# KiCad board 014_Sensor_PI_RS485 board.kicad_pcb (continued)
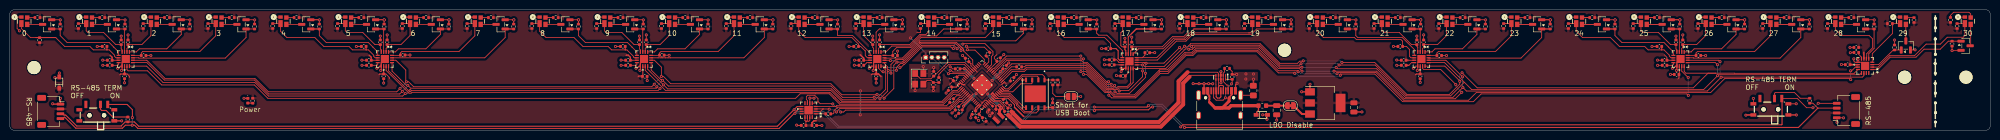
[diagram p0: board, top side]
## Nets
+1V1: C3.1 C5.1 C7.1 C8.1 L1.1 U1.6 U1.23 U1.39 U1.50
+3V3: C2.1 C4.1 C9.1 C10.1 C13.1 C14.1 C15.1 C16.1 C19.1 C20.1 C21.1 C22.1 C401.1 C403.1 C801.1 C803.1 C1301.1 C1303.1 C1801.1 C1803.1 C2301.1 C2303.1 C2801.1 C2803.1 C3301.1 C3303.1 C3801.1 C3803.1 CR2.1 J1.2 J2.2 J4.1 R6.1 R8.2 R17.1 R102.2 R302.1 R303.1 R502.1 R503.1 R602.1 R603.1 R702.1 R703.1 R902.1 R903.1 R1002.1 R1003.1 R1102.1 R1103.1 R1202.1 R1203.1 R1402.1 R1403.1 R1502.1 R1503.1 R1602.1 R1603.1 R1702.1 R1703.1 R1902.1 R1903.1 R2002.1 R2003.1 R2102.1 R2103.1 R2202.1 R2203.1 R2402.1 R2403.1 R2502.1 R2503.1 R2602.1 R2603.1 R2702.1 R2703.1 R2902.1 R2903.1 R3002.1 R3003.1 R3102.1 R3103.1 R3202.1 R3203.1 R3402.1 R3403.1 R3502.1 R3503.1 R3602.1 R3603.1 R3702.1 R3703.1 R4302.1 R4303.1 R4402.1 R4403.1 R4502.1 R4503.1 U1.1 U1.11 U1.20 U1.30 U1.38 U1.44 U1.45 U1.49 U1.53 U1.54 U2.2 U3.8 U5.13 U5.14 U5.15 U401.7 U401.10 U801.7 U801.10 U1301.7 U1301.10 U1801.7 U1801.10 U2301.7 U2301.10 U2801.7 U2801.10 U3301.7 U3301.10 U3801.7 U3801.10
GND: C1.2 C2.2 C3.2 C4.2 C5.2 C6.2 C7.2 C8.2 C9.2 C10.2 C13.2 C14.2 C15.2 C16.2 C17.2 C18.2 C19.2 C20.2 C21.2 C22.2 C401.2 C402.2 C403.2 C404.2 C405.2 C406.2 C407.2 C801.2 C802.2 C803.2 C804.2 C805.2 C806.2 C807.2 C1301.2 C1302.2 C1303.2 C1304.2 C1305.2 C1306.2 C1307.2 C1801.2 C1802.2 C1803.2 C1804.2 C1805.2 C1806.2 C1807.2 C2301.2 C2302.2 C2303.2 C2304.2 C2305.2 C2306.2 C2307.2 C2801.2 C2802.2 C2803.2 C2804.2 C2805.2 C2806.2 C2807.2 C3301.2 C3302.2 C3303.2 C3304.2 C3305.2 C3306.2 C3307.2 C3801.2 C3802.2 C3803.2 CR1.2 CR2.2 D3.1 J1.1 J2.1 J3.A1 J3.A12 J3.B1 J3.B12 J4.4 JP101.1 Q301.2 Q501.2 Q601.2 Q701.2 Q901.2 Q1001.2 Q1101.2 Q1201.2 Q1401.2 Q1501.2 Q1601.2 Q1701.2 Q1901.2 Q2001.2 Q2101.2 Q2201.2 Q2401.2 Q2501.2 Q2601.2 Q2701.2 Q2901.2 Q3001.2 Q3101.2 Q3201.2 Q3401.2 Q3501.2 Q3601.2 Q3701.2 Q4301.2 Q4401.2 Q4501.2 R1.1 R2.1 R3.1 R301.2 R501.2 R601.2 R701.2 R901.2 R1001.2 R1101.2 R1201.2 R1401.2 R1501.2 R1601.2 R1701.2 R1901.2 R2001.2 R2101.2 R2201.2 R2401.2 R2501.2 R2601.2 R2701.2 R2901.2 R3001.2 R3101.2 R3201.2 R3401.2 R3501.2 R3601.2 R3701.2 R4301.2 R4401.2 R4501.2 SW1.4 SW2.4 U1.47 U1.61 U2.1 U3.4 U4.3 U4.8 U5.6 U5.17 U301.1 U401.9 U401.17 U501.1 U601.1 U701.1 U801.9 U801.17 U901.1 U1001.1 U1101.1 U1201.1 U1301.9 U1301.17 U1401.1 U1501.1 U1601.1 U1701.1 U1801.9 U1801.17 U1901.1 U2001.1 U2101.1 U2201.1 U2301.9 U2301.17 U2401.1 U2501.1 U2601.1 U2701.1 U2801.9 U2801.17 U2901.1 U3001.1 U3101.1 U3201.1 U3301.9 U3301.17 U3401.1 U3501.1 U3601.1 U3701.1 U3801.9 U3801.17 U4301.1 U4401.1 U4501.1 Y1.2 Y1.4
VBUS: CR1.1 FB1.1 J3.A4 J3.A9 J3.B4 J3.B9
/BANK_0_CS: U1.33 U401.11
/BANK_1_CS: U1.32 U801.11
/BANK_2_CS: U1.31 U1301.11
/BANK_3_CS: U1.19 U1801.11
/BANK_4_CS: U1.3 U2301.11
/BANK_5_CS: U1.10 U2801.11
/BANK_6_CS: U1.8 U3301.11
/BANK_7_CS: U1.9 U3801.11
/FLASH_SS: R7.1 R17.2 U1.60 U3.1
/GPIO0: U1.2 U2301.12 U2801.12 U3301.12 U3801.12
/GPIO2: R14.2 U1.4
/GPIO3: U1.5 U2301.14 U2801.14 U3301.14 U3801.14
/GPIO4: U1.7
/GPIO8: U1.12 U401.12 U801.12 U1301.12 U1801.12
/GPIO9: U1.13
/GPIO10: R13.2 U1.14
/GPIO11: U1.15 U401.14 U801.14 U1301.14 U1801.14
/GPIO12: U1.16
/GPIO13: U1.17
/GPIO14: U1.18
/GPIO16: U1.27
/GPIO17: U1.28
/GPIO18: U1.29
/GPIO22: R19.2 U1.34
/GPIO23: R20.2 U1.35
/GPIO24: U1.36 U5.2 U5.3
/GPIO25: U1.37 U5.5 U5.7
/GPIO26_ADC0: U1.40
/GPIO27_ADC1: U1.41
/GPIO28_ADC2: U1.42
/GPIO29_ADC3: U1.43
/QSPI_SCLK: U1.56 U3.6
/QSPI_SD0: U1.57 U3.5
/QSPI_SD1: U1.59 U3.2
/QSPI_SD2: U1.58 U3.3
/QSPI_SD3: U1.55 U3.7
/RS485_N: J1.4 J2.4 SW1.3 SW2.3 U5.10
/RS485_P: J1.3 J2.3 R4.2 R101.2 U5.9
/RUN: R102.1 U1.26
/Sensor Array/4_Sensor_bank1/EN0: Q901.1 R901.1 U801.5
/Sensor Array/4_Sensor_bank1/EN1: Q1001.1 R1001.1 U801.3
/Sensor Array/4_Sensor_bank1/EN2: Q1101.1 R1101.1 U801.1
/Sensor Array/4_Sensor_bank1/EN3: Q1201.1 R1201.1 U801.15
/Sensor Array/4_Sensor_bank1/Y0: C804.1 R903.2 U801.6 U901.2
/Sensor Array/4_Sensor_bank1/Y1: C805.1 R1003.2 U801.4 U1001.2
/Sensor Array/4_Sensor_bank1/Y2: C806.1 R1103.2 U801.2 U1101.2
/Sensor Array/4_Sensor_bank1/Y3: C807.1 R1203.2 U801.16 U1201.2
/Sensor Array/4_Sensor_bank2/EN0: Q1401.1 R1401.1 U1301.5
/Sensor Array/4_Sensor_bank2/EN1: Q1501.1 R1501.1 U1301.3
/Sensor Array/4_Sensor_bank2/EN2: Q1601.1 R1601.1 U1301.1
/Sensor Array/4_Sensor_bank2/EN3: Q1701.1 R1701.1 U1301.15
/Sensor Array/4_Sensor_bank2/Y0: C1304.1 R1403.2 U1301.6 U1401.2
/Sensor Array/4_Sensor_bank2/Y1: C1305.1 R1503.2 U1301.4 U1501.2
/Sensor Array/4_Sensor_bank2/Y2: C1306.1 R1603.2 U1301.2 U1601.2
/Sensor Array/4_Sensor_bank2/Y3: C1307.1 R1703.2 U1301.16 U1701.2
/Sensor Array/4_Sensor_bank3/EN0: Q1901.1 R1901.1 U1801.5
/Sensor Array/4_Sensor_bank3/EN1: Q2001.1 R2001.1 U1801.3
/Sensor Array/4_Sensor_bank3/EN2: Q2101.1 R2101.1 U1801.1
/Sensor Array/4_Sensor_bank3/EN3: Q2201.1 R2201.1 U1801.15
/Sensor Array/4_Sensor_bank3/Y0: C1804.1 R1903.2 U1801.6 U1901.2
/Sensor Array/4_Sensor_bank3/Y1: C1805.1 R2003.2 U1801.4 U2001.2
/Sensor Array/4_Sensor_bank3/Y2: C1806.1 R2103.2 U1801.2 U2101.2
/Sensor Array/4_Sensor_bank3/Y3: C1807.1 R2203.2 U1801.16 U2201.2
/Sensor Array/4_Sensor_bank4/EN0: Q2401.1 R2401.1 U2301.5
/Sensor Array/4_Sensor_bank4/EN1: Q2501.1 R2501.1 U2301.3
/Sensor Array/4_Sensor_bank4/EN2: Q2601.1 R2601.1 U2301.1
/Sensor Array/4_Sensor_bank4/EN3: Q2701.1 R2701.1 U2301.15
/Sensor Array/4_Sensor_bank4/Y0: C2304.1 R2403.2 U2301.6 U2401.2
/Sensor Array/4_Sensor_bank4/Y1: C2305.1 R2503.2 U2301.4 U2501.2
/Sensor Array/4_Sensor_bank4/Y2: C2306.1 R2603.2 U2301.2 U2601.2
/Sensor Array/4_Sensor_bank4/Y3: C2307.1 R2703.2 U2301.16 U2701.2
/Sensor Array/4_Sensor_bank5/EN0: Q2901.1 R2901.1 U2801.5
/Sensor Array/4_Sensor_bank5/EN1: Q3001.1 R3001.1 U2801.3
/Sensor Array/4_Sensor_bank5/EN2: Q3101.1 R3101.1 U2801.1
/Sensor Array/4_Sensor_bank5/EN3: Q3201.1 R3201.1 U2801.15
/Sensor Array/4_Sensor_bank5/Y0: C2804.1 R2903.2 U2801.6 U2901.2
/Sensor Array/4_Sensor_bank5/Y1: C2805.1 R3003.2 U2801.4 U3001.2
/Sensor Array/4_Sensor_bank5/Y2: C2806.1 R3103.2 U2801.2 U3101.2
/Sensor Array/4_Sensor_bank5/Y3: C2807.1 R3203.2 U2801.16 U3201.2
/Sensor Array/4_Sensor_bank6/EN0: Q3401.1 R3401.1 U3301.5
/Sensor Array/4_Sensor_bank6/EN1: Q3501.1 R3501.1 U3301.3
/Sensor Array/4_Sensor_bank6/EN2: Q3601.1 R3601.1 U3301.1
/Sensor Array/4_Sensor_bank6/EN3: Q3701.1 R3701.1 U3301.15
/Sensor Array/4_Sensor_bank6/Y0: C3304.1 R3403.2 U3301.6 U3401.2
/Sensor Array/4_Sensor_bank6/Y1: C3305.1 R3503.2 U3301.4 U3501.2
/Sensor Array/4_Sensor_bank6/Y2: C3306.1 R3603.2 U3301.2 U3601.2
/Sensor Array/4_Sensor_bank6/Y3: C3307.1 R3703.2 U3301.16 U3701.2
/Sensor Array/4_Sensor_bank/EN0: Q301.1 R301.1 U401.5
/Sensor Array/4_Sensor_bank/EN1: Q501.1 R501.1 U401.3
/Sensor Array/4_Sensor_bank/EN2: Q601.1 R601.1 U401.1
/Sensor Array/4_Sensor_bank/EN3: Q701.1 R701.1 U401.15
/Sensor Array/4_Sensor_bank/Y0: C404.1 R303.2 U301.2 U401.6
/Sensor Array/4_Sensor_bank/Y1: C405.1 R503.2 U401.4 U501.2
/Sensor Array/4_Sensor_bank/Y2: C406.1 R603.2 U401.2 U601.2
/Sensor Array/4_Sensor_bank/Y3: C407.1 R703.2 U401.16 U701.2
/Sensor Array/Last_sensor_bank/EN0: Q4301.1 R4301.1 U3801.5
/Sensor Array/Last_sensor_bank/EN1: Q4401.1 R4401.1 U3801.3
/Sensor Array/Last_sensor_bank/EN2: Q4501.1 R4501.1 U3801.1
/Sensor Array/Last_sensor_bank/EN3: U3801.15
/Sensor Array/Last_sensor_bank/Y0: R4303.2 U3801.6 U4301.2
/Sensor Array/Last_sensor_bank/Y1: R4403.2 U3801.4 U4401.2
/Sensor Array/Last_sensor_bank/Y2: R4503.2 U3801.2 U4501.2
/Sensor Array/Last_sensor_bank/Y3: U3801.16
/SPI0_SCLK: R13.1 U401.13 U801.13 U1301.13 U1801.13
/SPI1_SCLK: R14.1 U2301.13 U2801.13 U3301.13 U3801.13
/SWCLK: J4.3 U1.24
/SWD: J4.2 U1.25
/UART_RX: R20.1 U5.1
/UART_TX: R19.1 U5.4
/USB_D+: J3.A6 J3.B6 R11.1 U4.4 U4.7
/USB_D-: J3.A7 J3.B7 R12.1 U4.5 U4.6
/VREG_AVDD: C6.1 R6.2 U1.46
/VREG_LX: L1.2 U1.48
/XIN: C17.1 U1.21 Y1.1
/XOUT: R18.1 U1.22
/~{USB_BOOT}: JP101.2 R7.2
Net-(C18-Pad1): C18.1 R18.2 Y1.3
Net-(D3-A): D3.2 R8.1
Net-(J3-CC1): J3.A5 R2.2 U4.1 U4.10
Net-(J3-CC2): J3.B5 R3.2 U4.2 U4.9
Net-(J3-SHIELD): J3.S1 R1.2
Net-(JP2-A): C1.1 FB1.2 JP2.1
Net-(JP2-B): JP2.2 U2.3
Net-(Q301-D): Q301.3 U301.4
Net-(Q501-D): Q501.3 U501.4
Net-(Q601-D): Q601.3 U601.4
Net-(Q701-D): Q701.3 U701.4
Net-(Q901-D): Q901.3 U901.4
Net-(Q1001-D): Q1001.3 U1001.4
Net-(Q1101-D): Q1101.3 U1101.4
Net-(Q1201-D): Q1201.3 U1201.4
Net-(Q1401-D): Q1401.3 U1401.4
Net-(Q1501-D): Q1501.3 U1501.4
Net-(Q1601-D): Q1601.3 U1601.4
Net-(Q1701-D): Q1701.3 U1701.4
Net-(Q1901-D): Q1901.3 U1901.4
Net-(Q2001-D): Q2001.3 U2001.4
Net-(Q2101-D): Q2101.3 U2101.4
Net-(Q2201-D): Q2201.3 U2201.4
Net-(Q2401-D): Q2401.3 U2401.4
Net-(Q2501-D): Q2501.3 U2501.4
Net-(Q2601-D): Q2601.3 U2601.4
Net-(Q2701-D): Q2701.3 U2701.4
Net-(Q2901-D): Q2901.3 U2901.4
Net-(Q3001-D): Q3001.3 U3001.4
Net-(Q3101-D): Q3101.3 U3101.4
Net-(Q3201-D): Q3201.3 U3201.4
Net-(Q3401-D): Q3401.3 U3401.4
Net-(Q3501-D): Q3501.3 U3501.4
Net-(Q3601-D): Q3601.3 U3601.4
Net-(Q3701-D): Q3701.3 U3701.4
Net-(Q4301-D): Q4301.3 U4301.4
Net-(Q4401-D): Q4401.3 U4401.4
Net-(Q4501-D): Q4501.3 U4501.4
Net-(R4-Pad1): R4.1 SW2.2
Net-(R101-Pad1): R101.1 SW1.2
Net-(U1-USB_DM): R12.2 U1.51
Net-(U1-USB_DP): R11.2 U1.52
Net-(U301-A): R302.2 U301.3
Net-(U401-DECAP): C402.1 U401.8
Net-(U501-A): R502.2 U501.3
Net-(U601-A): R602.2 U601.3
Net-(U701-A): R702.2 U701.3
Net-(U801-DECAP): C802.1 U801.8
Net-(U901-A): R902.2 U901.3
Net-(U1001-A): R1002.2 U1001.3
Net-(U1101-A): R1102.2 U1101.3
Net-(U1201-A): R1202.2 U1201.3
Net-(U1301-DECAP): C1302.1 U1301.8
Net-(U1401-A): R1402.2 U1401.3
Net-(U1501-A): R1502.2 U1501.3
Net-(U1601-A): R1602.2 U1601.3
Net-(U1701-A): R1702.2 U1701.3
Net-(U1801-DECAP): C1802.1 U1801.8
Net-(U1901-A): R1902.2 U1901.3
Net-(U2001-A): R2002.2 U2001.3
Net-(U2101-A): R2102.2 U2101.3
Net-(U2201-A): R2202.2 U2201.3
Net-(U2301-DECAP): C2302.1 U2301.8
Net-(U2401-A): R2402.2 U2401.3
Net-(U2501-A): R2502.2 U2501.3
Net-(U2601-A): R2602.2 U2601.3
Net-(U2701-A): R2702.2 U2701.3
Net-(U2801-DECAP): C2802.1 U2801.8
Net-(U2901-A): R2902.2 U2901.3
Net-(U3001-A): R3002.2 U3001.3
Net-(U3101-A): R3102.2 U3101.3
Net-(U3201-A): R3202.2 U3201.3
Net-(U3301-DECAP): C3302.1 U3301.8
Net-(U3401-A): R3402.2 U3401.3
Net-(U3501-A): R3502.2 U3501.3
Net-(U3601-A): R3602.2 U3601.3
Net-(U3701-A): R3702.2 U3701.3
Net-(U3801-DECAP): C3802.1 U3801.8
Net-(U4301-A): R4302.2 U4301.3
Net-(U4401-A): R4402.2 U4401.3
Net-(U4501-A): R4502.2 U4501.3

Pads without a net: J1 MP; J2 MP; J3 A8 B8; SW1 1; SW2 1; U3 9; U5 8 11 12 16

## Via types
v1: diameter 0.6, hole 0.3, Top to Bottom, 314 vias
v2: diameter 0.6, hole 0.25, Top to Bottom, 9 vias

## Routing (per net, layer and track width the routed paths; a pad name or vN(x,y) marks a point on that pad's centre or on a via; arc(x,y) is an arc through that point)
+1V1: length 41.4
  Top w0.15: v2(203.66,5.13) 203.2,5.13 203.07,5 202.96,5 ; 203.02,5.06 202.96,5 ; 202.96,5 202.96,5.08 202.4,5.64 202.19,5.64 201.72,6.11 201.69,6.11 ; 202.96,5 202.96,4.2 ; U1.50 201.74,6.11 ; C7.1 195.63,12.77 v2(196.44,12.77) ; 196.29,4.98 v2(196.29,5.01) 196.31,4.98 196.31,4.64 196.03,4.36 C5.1 ; U1.6 203.13,11.25 203.94,12.06
  Top w0.2: 196.3,5 U1.39 ; 196.5,13 197.67,11.82 ; v2(196.29,5.01) 197.96,6.68 ; 204.4,12.73 203.84,12.17
  Top w0.6: 203,4.45 202.96,4.45 ; 203.96,3.2 203.7,3.46 203.7,4.18 204.01,4.49 204.01,4.53 204.11,4.63 v2(204.07,4.67) 204.07,4.72 v2(203.66,5.13)
  Bottom w0.6: 203.87,4.93 201.29,7.5 v2(201.29,7.52) ; 196.3,5 v2(198.88,7.58) ; 203.78,11.93 202.19,10.34 ; 198.44,10.77 v2(196.44,12.77) 196.45,12.77 v2(198.46,10.76) ; 201.28,7.5 203.85,4.93 ; 196.28,5 198.87,7.58 ; v2(202.2,10.34) 204.22,12.35
  vias: v2(203.86,12.14)
+3V3: length 101.4
  Top w0.15: 202.86,6.63 203.43,6.63 ; 203.43,6.63 204.28,6.63 ; 203.43,6.63 202.82,7.24 ; U1801.7 C1801.1 ; U2301.7 228.28,14.06 228.28,14.13 227.8,14.61 C2301.1 ; 163.87,1.84 163.93,1.84 163.98,1.89 ; 163.87,1.84 163.66,2.05 163.67,2.06 U5.13 ; 163.87,1.84 C10.1 ; 163.98,1.89 164.48,1.89 164.67,2.08 U5.15 ; 163.98,1.89 164.17,2.08 U5.14 ; 200.22,5.68 199.65,5.11 199.65,4.98 ; 200.22,5.68 200.71,6.18 201.06,6.18 U1.49 ; 200.22,5.68 200.08,5.81 200.08,5.87 ; C3303.1 343.55,10.85 343.33,10.63 ; 201.12,12.08 U1.11 202.07,13.03 ; 205.1,9.65 204.92,9.84 U1.1 ; U401.7 C401.1 ; 204.28,6.63 204.3,6.63 204.51,6.43 ; 204.28,6.63 204.31,6.6 ; U1.38 196.41,5.68 196.07,5.68 C15.1 ; 287.74,14.52 U2801.7 ; C403.1 24.19,11.66 24.69,11.16 24.64,11.11 24.64,10.91 ; 78.13,10.72 78.16,10.75 78.16,10.93 77.43,11.66 C803.1 ; 193.43,9.57 193.49,9.57 R102.2 193.86,10.68 193.42,10.68 193.33,10.77 ; U801.7 C801.1 ; 197.83,13.81 197.83,13.37 U1.20 ; U1301.7 C1301.1 ; U3301.7 C3301.1 341.07,15.12 340.52,15.67 ; 201.4,5.83 202.12,5.11 202.31,5.11 ; U1.53 202.88,6.63 203.44,6.63 ; 186.68,20.27 187.48,20.27 187.47,20.29 R2103.1 ; 204.31,9.64 204.3,9.65 204.26,9.65 203.98,9.37 ; 203.13,15.68 202.64,15.19 202.64,14.87 C16.1 ; 229.61,11.02 229.61,11.3 230.21,11.9 U2301.10 ; 202.11,13.06 203.28,14.23 ; U1.45 198.96,4.26
  Top w0.2: U1301.10 130.3,11.25 129.48,11.25 129.32,11.09 ; 289.32,11.5 289.48,11.66 C2803.1 U2801.10 ; U801.10 C803.1 76.15,11.66 75.99,11.5 ; U1.38 198.28,7.55 ; U1.44 198.74,4.61 198.74,4.04 ; C2801.1 287.74,14.52 ; C21.1 197.81,13.81 197.83,13.81 ; U1.54 202.31,7.76 202.03,7.48 U1.53 ; 196.11,9.51 196.09,9.53 196.02,9.53 ; 202.82,7.24 202.3,7.76 202.01,7.48 202.54,6.96 ; U401.10 C403.1 22.81,11.66 22.65,11.5 ; U1.20 199.13,12.07 ; 195.98,9.57 196.04,9.57 196.11,9.5 196.15,9.5 196.23,9.42 196.5,9.42 ; U3301.10 343.63,11.66 ; 177.33,11.5 177.49,11.66 C1803.1 ; 206.8,4.76 206.8,5.32 205.47,6.66 204.77,6.66 C13.1 ; C22.1 213.72,4.73 ; 196.11,9.5 196.58,9.5 ; U1.30 194.85,8.97 C19.1 ; U3.8 213.38,4.7 ; 208.66,2.9 208.72,2.9 ; 195.44,9.59 195.69,9.84
  Top w0.25: C401.1 21.07,15.14 20.64,15.57 ; C801.1 74.41,15.14 73.98,15.57 ; C1301.1 127.74,15.14 127.31,15.57 126.93,15.57 126.87,15.51
  Top w0.3: C9.1 165.1,1.55 165.53,1.98 165.96,1.98 ; 195.44,9.59 195.38,9.53 ; C1801.1 175.75,14.95 175.03,15.67 ; C3803.1 U3801.10 ; 179.32,11.15 178.81,11.66 C1803.1 178.36,11.71 178.36,12.69 178.31,12.74 U1801.10 ; U3801.7 381.62,16.16 ; 206.8,4.76 208.66,2.9
  Bottom w0.25: v1(185.41,19.14) 188.52,16.03 J4.1
  Bottom w0.3: v1(175.09,8.16) 175.09,3.24 v1(175.05,3.2)
GND: length 320.5
  Top w0.15: 198.04,3.34 197.71,3.01 197.71,2.69 v1(197.81,2.59) ; Q501.2 23.72,22.9 ; C406.2 24.34,19.75 v1(24.35,19.76) ; 389.07,23.47 v1(387.57,23.45) ; R1.1 255.96,10.56 v1(256,10.6) ; C2306.2 230.92,19.29 v1(230.93,19.3) ; v1(77.69,19.76) 77.68,19.75 C806.2 ; v1(284.79,17.39) 284.8,17.38 C2804.2 ; 76.47,14.02 U801.17 ; v1(288.89,12.87) 289.32,13.3 U2801.9 ; Q4301.2 383.72,22.9 ; v1(367.69,5.5) 367.68,5.49 SW2.4 ; 122.4,23.47 v1(120.9,23.45) ; 383.72,22.04 383.72,22.84 ; Q1501.2 130.38,22.9 ; 10.19,11.84 10.19,10.94 9.3,10.94 v1(9.29,10.94) ; C1802.2 173.85,13.47 v1(173.83,13.49) ; 29.07,23.47 v1(27.57,23.45) ; v1(129.61,19.52) C1305.2 ; C2.2 201.23,3.93 v1(201.23,3.8) ; 251.06,12.73 251.6,12.2 R2.1 ; 205.97,5.19 205.7,5.19 205.71,5.2 v1(205.98,5.2) ; v1(342.94,19.52) C3305.2 ; C3803.2 377.03,13.6 v1(377,13.63) ; 129.8,14.02 U1301.17 ; U2801.9 289.8,12.52 v1(289.7,12.42) ; U2801.9 289.8,14.02 U2801.17 ; v1(190.1,8.25) C18.2 ; 194.51,12.73 194.05,12.73 193.64,13.15 v1(193.57,13.15) ; v1(378.82,16.08) 378.86,16.12 C3802.2 ; 8.91,5.43 v1(8.84,5.5) ; 203.92,15 v1(204.6,15.68) ; U301.1 1.7,23.47 1.52,23.29 1.52,21.1 v1(2.01,20.61) ; C3.2 v1(201.71,3.03) ; v1(194.68,2.95) 194.9,3.17 194.92,3.17 195.29,3.54 C5.2 195.33,3.54 ; v1(182.74,16.41) 182.74,15.53 C1807.2 ; v1(208.44,10.44) 208.45,10.44 U3.4 ; C19.2 192.72,7.81 ; v1(131.02,19.76) 131.01,19.75 C1306.2 ; C2802.2 v1(285.47,13.47) ; SW2.4 358.87,6.6 v1(358.86,6.61) ; 265.91,7.97 v1(265.9,7.98) ; Q4501.2 399.81,16.57 ; C407.2 29.04,15.5 v1(29.05,15.49) ; v1(19.15,14.54) 19.17,14.52 C401.2 ; 37.05,22.04 37.05,22.84 ; C3302.2 v1(339.16,13.47) ; Q601.2 37.05,22.9 ; C1806.2 179.02,19.75 v1(179.03,19.76) ; v1(22.94,19.52) C405.2 ; 267.61,9.53 v1(267.62,9.54) ; v1(295.72,15.49) 295.71,15.5 C2807.2 ; Q2201.2 210.38,22.9 ; 198.74,2.68 199.37,2.05 v1(199.41,2.05) ; Y1.4 188.05,13.17 ; v1(131.2,10.31) 131.18,10.34 131.18,11.17 ; C1801.2 173.88,14.52 v1(173.87,14.53) ; C807.2 82.38,15.6 ; Q2901.2 277.05,22.9 ; 399.79,16.57 399.74,16.52 ; U5.17 164.67,4.44 U5.6 v1(164.67,6.67) 165.53,6.67 v1(165.54,6.66) ; 167.13,1.02 v1(167.15,0.99) ; 50.38,22.04 50.38,22.84 ; C17.2 v1(190.17,13) ; v1(376.08,1.66) 376.09,1.67 376.09,2.6 377.41,2.6 v1(377.43,2.58) ; 375.74,23.47 v1(374.24,23.45) ; 157.05,22.04 157.05,22.84 ; 134.7,15.55 135.71,15.55 ; Q1601.2 143.72,22.9 ; C1804.2 172.76,17.38 v1(172.75,17.37) ; C1301.2 125.84,14.52 v1(125.82,14.54) ; 245.81,9.65 v1(245.8,9.66) ; 42.4,23.47 v1(40.9,23.45) ; C803.2 76.97,9.8 v1(76.96,9.79) ; 367.71,3.19 v1(367.72,3.18) ; 277.05,22.04 277.05,22.84 ; C2801.2 285.51,14.52 v1(285.47,14.56) ; 143.72,22.04 143.72,22.84 ; v1(23.62,9.84) 23.63,9.85 C403.2 ; 178.31,9.83 v1(178.33,9.81) ; Q1401.2 117.05,22.9 ; v1(344.35,19.76) 344.34,19.75 C3306.2 ; Q1901.2 170.38,22.9 ; v1(392.15,16.67) 392.13,16.65 Q4401.2 ; v1(378.76,17.16) 378.77,17.17 C3801.2 ; Q1101.2 90.38,22.9 ; 290.38,22.04 290.38,22.84 ; 186.35,8.66 186.34,8.65 ; 399.76,17.42 399.76,16.62 ; v1(177.62,19.52) C1805.2 ; Q1201.2 103.72,22.9 ; Q701.2 50.38,22.9 ; C3307.2 349.04,15.5 v1(349.05,15.49) ; 10.38,22.04 10.38,22.84 ; v1(229.52,19.06) C2305.2 ; 55.74,23.47 v1(54.24,23.45) ; 303.72,22.04 303.72,22.84 ; 170.38,22.04 170.38,22.84 ; 109.07,23.47 v1(107.57,23.45) ; v1(339.15,14.54) 339.17,14.52 C3301.2 ; C801.2 72.51,14.52 v1(72.49,14.54) ; U3801.9 381.12,14.1 U3801.17 ; U3801.9 379.8,14.1 379.54,14.36 v1(379.54,14.81) ; U3801.9 380.4,14.66 v1(380.41,14.67) ; v1(257.88,3.21) 257.89,3.2 CR1.2 ; v1(289.61,19.52) C2805.2 ; v1(76.28,19.52) C805.2 ; Q1701.2 157.05,22.9 ; C2806.2 291.01,19.75 v1(291.02,19.76) ; 193.98,3.6 C15.2 ; 309.07,23.47 v1(307.57,23.45) ; 23.72,22.04 23.72,22.84 ; 10.44,6.62 v1(10.43,6.63) ; 215.74,23.47 v1(214.24,23.45) ; 103.72,22.04 103.72,22.84 ; C402.2 v1(19.16,13.47) ; 282.4,23.47 v1(280.9,23.45) ; C802.2 v1(72.5,13.47) ; Q3101.2 303.72,22.9 ; 223.72,22.04 223.72,22.84 ; 69.07,23.47 v1(67.57,23.45) ; 229.07,23.47 v1(227.57,23.45) ; 247.58,9.66 v1(247.6,9.64) ; 210.38,22.04 210.38,22.84 ; 15.74,23.47 v1(14.24,23.45) ; 335.74,23.47 v1(334.24,23.45) ; 343.13,14.02 U3301.17 ; 246.75,9.65 v1(246.76,9.66) ; Q301.2 10.38,22.9 ; Y1.2 186.35,8.23 ; 23.13,14.02 U401.17 ; 357.37,3.19 v1(357.32,3.14) ; 402.4,23.47 v1(400.9,23.45) ; C1302.2 v1(125.83,13.47) ; Q3401.2 330.38,22.9 ; 63.72,22.04 63.72,22.84 ; 322.4,23.47 v1(320.9,23.45) ; R4401.2 v1(387.92,18.71) ; 237.05,22.04 237.05,22.84 ; 77.05,22.04 77.05,22.84 ; 162.03,1.01 v1(161.96,1.08) ; 330.38,22.04 330.38,22.84 ; 82.4,23.47 v1(80.9,23.45) 82.4,23.47 ; 183.72,22.04 183.72,22.84 183.72,22.04 ; 269.07,23.47 v1(267.57,23.45) 269.07,23.47 ; Q2501.2 237.05,22.9 Q2501.2 ; 197.05,22.04 197.05,22.84 197.05,22.04 ; Q3001.2 290.38,22.9 Q3001.2 ; Q3201.2 317.05,22.9 Q3201.2 ; 90.38,22.04 90.38,22.84 90.38,22.04 ; Q2601.2 250.38,22.9 Q2601.2 ; 317.05,22.04 317.05,22.84 317.05,22.04 ; 250.38,22.04 250.38,22.84 250.38,22.04 ; 370.38,22.04 370.38,22.84 370.38,22.04 ; Q1001.2 77.05,22.9 Q1001.2 ; 295.74,23.47 v1(294.24,23.45) 295.74,23.47 ; 189.07,23.47 v1(187.57,23.45) 189.07,23.47 ; Q2401.2 223.72,22.9 Q2401.2 ; 135.74,23.47 v1(134.24,23.45) 135.74,23.47 ; 130.38,22.04 130.38,22.84 130.38,22.04 ; 95.74,23.47 v1(94.24,23.45) 95.74,23.47 ; Q3601.2 357.05,22.9 Q3601.2 ; 117.05,22.04 117.05,22.84 117.05,22.04 ; 349.07,23.47 v1(347.57,23.45) 349.07,23.47 ; 357.05,22.04 357.05,22.84 357.05,22.04 ; 362.4,23.47 v1(360.9,23.45) 362.4,23.47 ; Q3701.2 370.38,22.9 Q3701.2 ; Q3501.2 343.72,22.9 Q3501.2 ; 343.72,22.04 343.72,22.84 343.72,22.04 ; 149.07,23.47 v1(147.57,23.45) 149.07,23.47 ; 175.74,23.47 v1(174.24,23.45) 175.74,23.47 ; 255.74,23.47 v1(254.24,23.45) 255.74,23.47 ; Q2001.2 183.72,22.9 Q2001.2 ; Q901.2 63.72,22.9 Q901.2 ; 202.4,23.47 v1(200.9,23.45) 202.4,23.47 ; 242.4,23.47 v1(240.9,23.45) 242.4,23.47 ; Q2101.2 197.05,22.9 Q2101.2 ; Q2701.2 263.72,22.9 Q2701.2 ; 263.72,22.04 263.72,22.84 263.72,22.04 ; 162.4,23.47 v1(160.9,23.45) 162.4,23.47
  Top w0.2: U2301.9 229.71,13.56 U2301.17 ; U2301.9 229.4,12.84 v1(228.74,12.18) ; U2301.9 228.78,12.84 v1(228.74,12.88) ; C3304.2 338.02,17.38 v1(338,17.36) ; C10.2 162.03,1.01 ; C2307.2 235.64,16.08 ; C21.2 196.7,14.91 v1(196.1,15.5) ; 343.13,12.5 U3301.9 342.87,13.3 342.44,12.87 v1(342.22,12.87) ; C2302.2 225.34,13.56 v1(225.31,13.59) ; C804.2 71.36,17.38 v1(71.34,17.36) ; C404.2 18.02,17.38 v1(18,17.36) ; 252.53,9.84 v1(252.61,9.76) 252.27,9.42 J3.A12 ; v1(177.71,12.42) 177.81,12.52 U1801.9 ; U1801.9 177.81,14.02 U1801.17 ; U1801.9 177.33,13.3 v1(176.9,12.87) ; 129.8,12.5 U1301.9 129.54,13.3 129.11,12.87 v1(128.89,12.87) ; v1(124.67,17.36) 124.69,17.38 C1304.2 ; C3303.2 341.84,11.56 v1(341.81,11.59) ; C2303.2 227.85,11.27 ; 207.05,11.35 206.65,10.95 ; 252.61,11.51 v1(252.53,11.59) R2.1 ; v1(205.63,13.96) C8.2 205.43,13.76 ; 76.47,12.5 U801.9 76.21,13.3 75.78,12.87 v1(75.56,12.87) ; C1803.2 178.31,9.83 ; 23.13,12.5 U401.9 22.87,13.3 22.44,12.87 v1(22.22,12.87) ; v1(224.73,16.94) 224.75,16.92 C2304.2 ; C13.2 205.7,5.19 ; v1(225.28,14.62) 225.29,14.61 C2301.2 ; v1(290.3,9.93) 290.3,9.94 C2803.2 ; C9.2 167.13,1.02 ; C22.2 v1(214.65,6.5) ; C1.2 v1(260.77,2.11) ; JP101.1 220.41,7.01 ; D3.1 48.23,6.62
  Top w0.25: 258.76,3.2 258.76,2.29 v1(258.77,2.28) ; 76.47,12.5 76.39,12.42 v1(76.37,12.42) ; 249.25,12.12 U4.3 U4.8 249.25,9.9 v1(249.29,9.85) ; v1(129.7,12.42) 129.72,12.42 129.8,12.5 ; U401.9 23.13,14.02 ; 289.8,12.5 289.72,12.42 v1(289.7,12.42) ; 245.81,8.2 245.81,9.65 246.75,9.65 ; 177.81,12.5 177.73,12.42 v1(177.71,12.42) ; v1(343.03,12.42) 343.05,12.42 343.13,12.5 ; v1(23.03,12.42) 23.05,12.42 23.13,12.5 ; v1(278.31,3.81) 276.65,3.81 ; U3301.9 343.13,14.02 ; 267.61,9.53 U2.1 265.91,7.97 ; U1301.9 129.8,14.02 ; v1(246.76,9.66) 247.58,9.66 ; v1(243.57,9.67) 243.58,9.66 v1(244.78,9.66) v1(245.8,9.66) ; U801.9 76.47,14.02 ; SW1.4 v1(23.04,1.96) ; 10.44,6.62 J1.1 8.91,5.43 ; SW2.4 367.71,3.19
  Top w0.3: SW2.4 357.37,3.19
  vias: v1(10.22,11.87) v1(10.41,22.87) v1(23.75,22.87) v1(37.08,22.87) v1(48.22,6.63) v1(50.41,22.87) v1(63.75,22.87) v1(77.08,22.87) v1(77.08,22.87) v1(82.39,15.59) v1(90.41,22.87) v1(90.41,22.87) v1(103.75,22.87) v1(103.75,22.87) v1(117.08,22.87) v1(117.08,22.87) v1(130.41,22.87) v1(135.72,15.54) v1(143.75,22.87) v1(157.08,22.87) v1(157.08,22.87) v1(170.41,22.87) v1(183.75,22.87) v1(183.75,22.87) v1(186.34,8.23) v1(188.01,13.2) v1(192.72,7.73) v1(193.95,3.6) v1(197.08,22.87) v1(197.08,22.87) v1(207.2,11.53) v1(210.41,22.87) v1(210.41,22.87) v1(220.42,7) v1(223.75,22.87) v1(227.77,11.35) v1(235.66,16.1) v1(237.08,22.87) v1(237.08,22.87) v1(249.28,12.15) v1(250.41,22.87) v1(250.41,22.87) v1(254.44,11.68) v1(254.42,10.63) v1(255.99,11.67) v1(263.75,22.87) v1(263.75,22.87) v1(277.08,22.87) v1(290.41,22.87) v1(290.41,22.87) v1(303.75,22.87) v1(317.08,22.87) v1(317.08,22.87) v1(330.41,22.87) v1(330.41,22.87) v1(343.75,22.87) v1(343.75,22.87) v1(357.08,22.87) v1(357.08,22.87) v1(370.41,22.87) v1(370.41,22.87) v1(383.75,22.87) v1(399.76,16.52)
VBUS: length 21.2
  Top w0.15: 251.02,6.83 251.02,6.72
  Top w0.25: 256.66,3.2 256.66,3.76 257.01,4.12 FB1.1
  Top w0.3: 251.51,8.2 251.51,7.4 251.02,6.91 251.02,6.83
  Top w0.35: 246.94,5.81 246.88,5.86 246.88,6.4 246.92,6.44 246.92,7.06 246.88,7.1 246.88,7.2 246.61,7.47 246.61,8.2
  Top w0.6: 251.02,6.72 250.96,6.66 250.96,6.04 249.56,4.64 248.1,4.64 246.94,5.81
  Top w0.7: FB1.1 251.39,5.11 250.92,4.64 248.1,4.64
/BANK_0_CS: length 177.8
  Top w0.15: U401.11 24.13,12.56 24.36,12.33 28.35,12.33 31.28,9.4 50.36,9.4 53.12,6.64 161.75,6.64 162.68,7.57 165.8,7.57 165.81,7.58 168.66,7.58 169.57,6.67 169.57,6.67 170.83,5.41 192.19,5.41 194.25,7.47 194.44,7.47 194.44,7.47 195.38,7.47 U1.33
/BANK_1_CS: length 123.6
  Top w0.15: U801.11 77.47,12.41 81.99,7.88 81.99,7.88 82.18,7.7 82.62,7.7 82.8,7.88 168.79,7.88 169.95,6.72 169.95,6.71 170.95,5.71 192.04,5.71 194.26,7.93 195.27,7.93 U1.32
/BANK_2_CS: length 69.6
  Top w0.15: U1.31 195.01,8.24 194.12,8.24 191.91,6.02 171.25,6.02 168.98,8.28 134.94,8.28 130.8,12.43 U1301.11
/BANK_3_CS: length 29.7
  Top w0.15: v1(181.37,11.85) 181.37,13.65 182.39,14.67 183.87,14.67 187.29,18.09 ; 187.43,18.23 194.83,18.23 195.29,17.78 ; 187.43,18.23 187.29,18.09 ; 187.43,18.23 187.29,18.09 187.29,18.09 187.29,18.09 ; 195.29,17.78 196.32,16.75 196.32,16.46 ; 195.29,17.78 195.5,17.57 195.53,17.57 195.94,17.17 ; 195.94,17.17 196.05,17.05 ; 195.94,17.17 196.32,16.79 196.32,16.46 ; U1801.11 178.81,12.86 179.54,12.13 v1(179.77,12.13) ; U1.19 198.21,13.56 198.21,14.56 196.32,16.46
  Bottom w0.15: v1(179.77,12.13) 180.01,11.89 180.87,11.89 180.91,11.85 v1(181.37,11.85)
/BANK_4_CS: length 33.1
  Top w0.15: U2301.11 230.71,9.82 229.96,9.07 228.11,9.07 227.82,8.79 227.16,8.79 227.09,8.71 225.82,8.71 221.47,13.06 209.24,13.06 208.72,12.54 206.11,12.54 U1.3
/BANK_5_CS: length 122.9
  Top w0.15: v1(272.56,12.26) 281.32,12.26 287.05,6.54 297.51,6.54 v1(298.85,7.88) ; v1(220.46,12.17) 221.52,12.17 225.57,8.11 225.87,8.11 225.87,8.11 226.56,8.11 226.56,8.11 226.58,8.11 227.37,7.33 231.46,7.33 236.54,12.41 236.55,12.41 236.68,12.54 238.27,12.54 241.9,16.17 243.33,16.17 244.04,16.88 257.05,16.88 261.13,12.8 265.43,12.8 v1(265.97,12.26) ; v1(220.44,15.39) 205.15,15.39 202.61,12.85 202.45,12.85 U1.10 ; U2801.11 290.8,12.82 291,12.61 294.51,12.61 297.62,9.5 v1(297.62,9.49)
  Bottom w0.15: v1(297.62,9.49) 297.62,9.11 v1(298.85,7.88) ; v1(220.46,12.17) 220.46,15.38 v1(220.44,15.39) ; v1(272.56,12.26) v1(265.97,12.26)
/BANK_6_CS: length 165.1
  Top w0.15: v1(226.16,10.07) 226.15,10.05 225.76,10.05 ; v1(273.86,11.42) 273.91,11.48 273.91,11.66 280.98,11.66 286.7,5.94 301.24,5.94 302.84,7.54 345.18,7.54 v1(345.48,7.24) ; U3301.11 344.13,12.26 345.44,10.95 v1(345.46,10.95) ; 225.76,10.05 221.74,14.07 220.97,14.07 220.56,14.48 205.22,14.48 U1.8 ; 225.76,10.05 225.84,9.98 ; v1(226.21,7.29) 226.78,6.72 231.71,6.72 236.79,11.8 238.4,11.8 242.11,15.51 243.52,15.51 244.29,16.28 256.73,16.28 261.11,11.9 264.32,11.9 264.41,11.81 v1(264.48,11.81)
  Bottom w0.15: v1(264.48,11.81) 264.74,11.81 265.34,11.21 273.65,11.21 v1(273.86,11.42) ; v1(226.21,7.29) 226.16,7.34 v1(226.16,10.07) ; v1(345.46,10.95) 345.46,7.26 v1(345.48,7.24)
